# KiCad board ShinyAddOn_panel_1.kicad_pcb (continued)
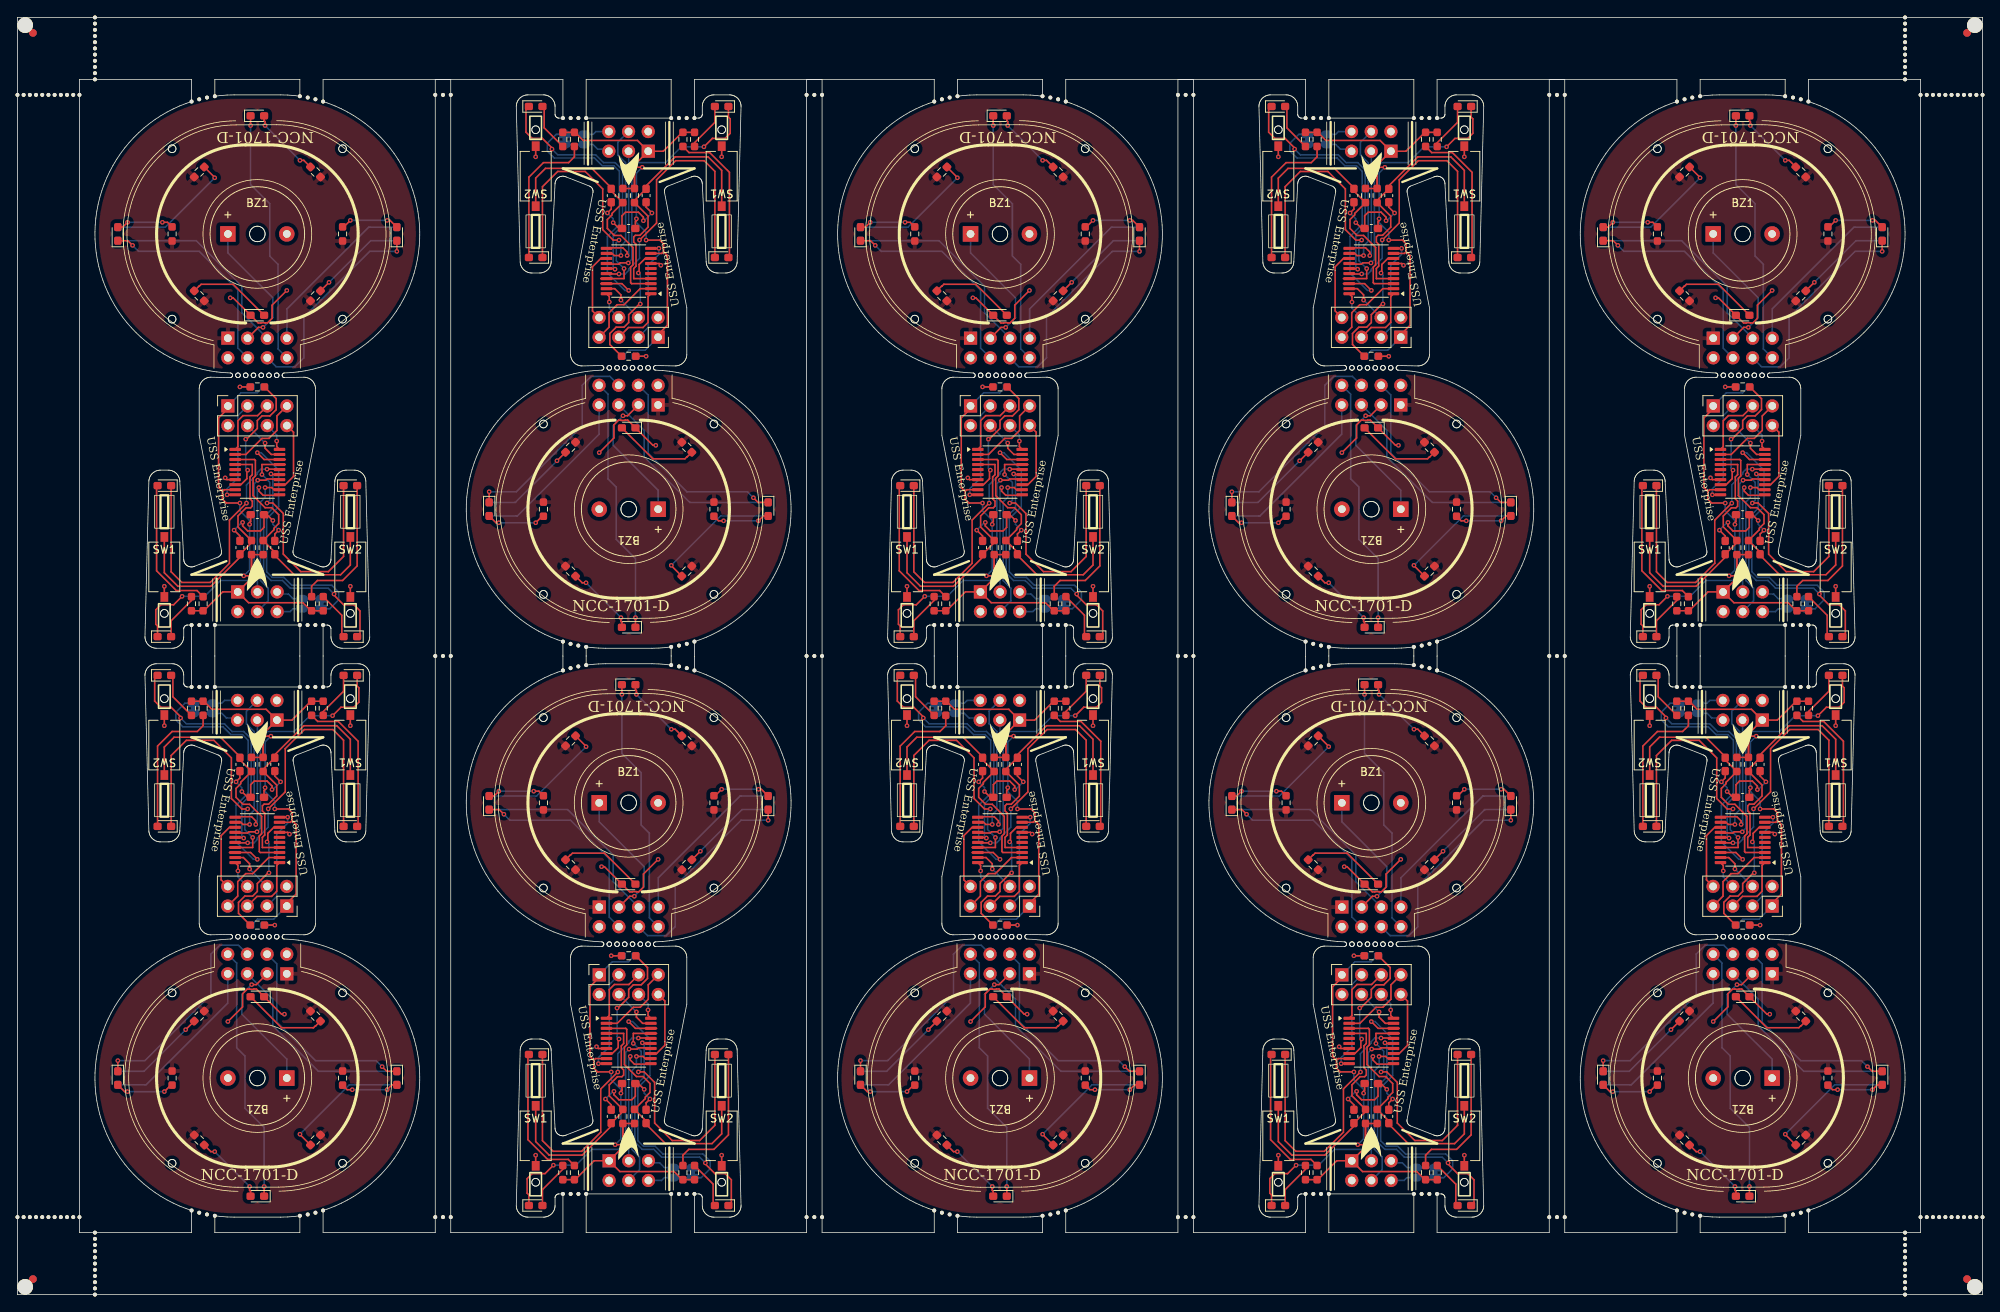
[diagram p0: board, top side]
## Routing (per net, layer and track width the routed paths; a pad name or vN(x,y) marks a point on that pad's centre or on a via; arc(x,y) is an arc through that point) (continued)
Board_5-/red_gondeln_right: length 35.9
  Top w0.2: v1(30.36,59.03) 30.36,57.73 U1#2.17 ; U1#2.17 28.83,57.73 ; U1#2.17 27.36,57.73 ; v1(29.71,62.71) 28.96,62.71 27.61,64.06 27.61,69.31 25.35,71.57 21.79,71.57 19.83,69.6 D7#6.1
  Bottom w0.2: v1(29.71,62.71) 29.36,62.36 29.36,60.03 v1(30.36,59.03)
Board_5-/SCL: length 19.2
  Top w0.2: v1(29.96,60.71) 29.11,60.71 28.83,60.98 U1#2.12
  Bottom w0.2: J5#9.4 29.55,75.33 29.55,73.71 30.56,72.7 30.56,62.56 29.96,61.96 v1(29.96,60.71)
Board_5-/SDA: length 17.6
  Top w0.2: U1#2.11 28.17,61.71 30.21,61.71 30.76,61.16 v1(30.76,60.71)
  Bottom w0.2: v1(30.76,60.71) 30.96,60.91 30.96,74.17 J5#9.3 31.44,73.69
Board_5-/sw1: length 33.5
  Top w0.2: U1#2.4 31.61,57.73 31.61,59.04 31.91,59.34 31.91,62.16 31.61,62.46 31.61,63.11 31.82,63.32 32.41,63.32 33.46,64.37 33.46,65.79 R9.2 31.71,67.82 C1#9.1 33.21,69.71 36.96,73.46 41.21,73.46 42.96,71.71 SW1#5.1
Board_5-/sw2: length 33.3
  Top w0.2: U1#2.3 31.33,57.08 31.21,57.21 31.21,59.21 31.51,59.51 31.51,61.75 29.95,63.31 29.11,63.31 28.21,64.21 28.21,65.36 28.81,65.96 28.81,66.14 R8#10.2 28.71,69.04 C2#4.1 28.71,69.46 26.2,71.97 20.21,71.97 18.96,70.71 SW2#10.1
Board_5-GND: length 29.2
  Top w0.2: C3#6.2 29.71,64.21 v1(28.96,64.96) ; C3#6.2 30.09,65.84 30.56,66.31 32.21,66.31 32.86,65.66 v1(32.86,65.21) ; C3#6.2 29.71,64.59 ; v1(27.16,35.26) 29.06,37.16 29.06,38.86 29.66,39.46 29.94,39.46 29.97,39.42 30.47,39.42 30.5,39.46 30.83,39.46 D1#3.1 34.08,36.21 v1(34.46,36.21) ; v1(28.21,66.21) 28.71,66.71 C2#4.2 ; C1#9.2 33.21,66.96 v1(33.96,66.21) ; v1(42.96,73.46) SW1#5.2 ; v1(18.96,73.46) SW2#10.2 ; U1#2.7 34.88,59.68 v1(35.11,59.46)
  Bottom w0.2: v1(33.96,66.21) 32.96,65.21 v1(32.86,65.21) ; v1(28.96,64.96) 28.96,65.46 v1(28.21,66.21)
Board_5-Net-(D1-A): length 11
  Top w0.2: R1.2 38.5,34.71 38.46,34.71 38.21,34.46 34.08,34.46 D1#3.2
Board_5-Net-(D2-K): length 2.7
  Top w0.2: R2#8.1 v1(33.21,47.71)
  Bottom w0.2: v1(33.21,47.71) D2#7.1
Board_5-Net-(D3-A): length 6.2
  Top w0.2: R3#8.2 20.06,77.19 20.06,79.73 D3#6.2
Board_5-Net-(D4-A): length 6.2
  Top w0.2: D4#4.2 42.08,77.91 39.46,75.28 R4#10.2
Board_5-Net-(D5-A): length 9.4
  Top w0.2: v1(29.96,13.96) 29.96,13.46 30.08,13.33 D5#4.2 ; R5#3.2 24.96,18.46 v1(25.46,18.46)
  Bottom w0.2: v1(29.96,13.96) v1(25.46,18.46)
Board_5-Net-(D6-A): length 18.4
  Top w0.2: 43.76,60.53 43.96,60.73 43.96,71.46 41.41,74.01 38.74,74.01 R6#2.2
Board_5-Net-(D7-A): length 18.7
  Top w0.2: D7#6.2 18.08,70.83 19.96,72.71 23.21,72.71 23.96,73.46 R7#8.2
Board_5-Net-(D8-A): length 7.6
  Top w0.2: D8#7.2 48.33,27.08 v1(47.71,26.46) ; 41.99,27.08 R10#8.2 42.54,26.46 v1(43.21,26.46)
  Bottom w0.2: v1(47.71,26.46) v1(43.21,26.46)
Board_5-Net-(D9-A): length 7.8
  Top w0.2: v1(18.96,26.21) 19.79,27.04 R11.2 19.92,27.08 ; v1(14.21,26.21) 13.83,26.21 D9#4.2
  Bottom w0.2: v1(18.96,26.21) v1(14.21,26.21)
Board_5-Net-(D10-A): length 17.1
  Top w0.2: R12.2 36.46,20.67 v1(36.46,20.71)
  Bottom w0.2: v1(36.46,20.71) 42.83,27.08 D10#6.2
Board_5-Net-(D11-A): length 12.5
  Top w0.2: R13.2 v1(21.71,34.21)
  Bottom w0.2: v1(21.71,34.21) 16.33,28.83 D11#4.2
Board_5-Net-(JP1-B): length 37.2
  Top w0.2: v1(30.96,56.21) 30.08,57.08 U1#2.18 ; U1#2.18 28.83,57.08 ; U1#2.18 27.36,57.08
  Bottom w0.2: 21.76,76.36 JP1#8.2 21.61,76.36 20.46,75.21 20.46,74.21 21.36,73.31 26.54,73.31 27.54,72.31 29.04,72.31 29.76,71.59 29.76,64.74 28.21,63.19 28.21,58.46 30.46,56.21 v1(30.96,56.21)
Board_5-Net-(U1-PD0): length 16.7
  Top w0.2: U1#2.8 33.08,60.33 32.31,59.56 32.31,58.56 v1(32.21,58.46) ; R2#8.2 28.53,49.22 28.53,50.64 29.34,51.46 30.36,51.46 30.96,52.06 30.96,53.07 32.34,54.46 v1(32.46,54.46)
  Bottom w0.2: v1(32.21,58.46) 32.46,58.21 v1(32.46,54.46)
Board_5-VCC: length 64.3
  Top w0.2: R4#10.1 R6#2.1 37.87,76.62 35.43,74.18 J5#9.1 ; v1(33.21,62.71) 34.96,62.71 35.46,62.21 35.46,61.21 ; 34.67,50.17 35.21,50.71 35.21,50.96 35.96,51.71 35.96,60.71 35.46,61.21 ; U1#2.9 35.23,60.98 35.46,61.21 ; v1(31.96,65.46) 31.96,65.21 31.82,65.07 C3#6.1 ; R9.1 31.71,72.11 v1(32.71,72.11) ; R9.1 29.96,69.37 ; R9.1 31.71,72.41 J5#9.1 ; J5#9.1 32.09,75.57 25.09,75.57 24.04,76.62 R7#8.1 R3#8.1
  Bottom w0.2: v1(33.21,62.71) 33.21,63.71 31.96,64.96 v1(31.96,65.46) 31.96,71.36 v1(32.71,72.11) ; J4#7.1 33.07,48.48 30.98,48.48 30.21,47.71 D2#7.2
Board_6-/blue gondeln left: length 33.4
  Top w0.2: v1(78.92,31.7) 79.97,31.7 80.12,31.85 81.66,31.85 U1#5.14 ; v1(69.16,16.71) 68.07,15.61 66.41,15.61 65.77,14.97 65.77,13.1 65.99,12.88 D4#2.1
  Bottom w0.2: v1(78.92,31.7) 78.47,31.25 78.47,19.6 77.62,18.75 74.12,18.75 72.08,16.71 v1(69.16,16.71)
Board_6-/blue gondeln right: length 32.6
  Top w0.2: v1(88.77,17) 88.77,16.85 90.01,15.61 91.33,15.61 92.12,14.82 92.12,11.88 D3#4.1 ; v1(80.63,32.51) 80.72,32.43 U1#5.15
  Bottom w0.2: v1(88.77,17) 88.02,17.75 83.12,17.75 82.12,18.75 80.62,18.75 79.67,19.7 79.67,26.89 80.87,28.09 80.87,32.27 v1(80.63,32.51)
Board_6-/blue_front: length 42.5
  Top w0.2: D5#7.1 77.99,77.38 ; J4#9.8 83.54,37.9 83.54,32.2 82.47,31.12 U1#5.13
  Bottom w0.2: v1(77.99,77.5) 77.99,69.88 80.47,67.4 80.47,60.65 81.54,59.58 81.54,48.65 J1#10.8
Board_6-/buzzer: length 31.2
  Top w0.2: U1#5.10 76,29.82 v1(74.97,29.82) ; v1(79.6,51.43) 79,51.43 J1#10.3
  Bottom w0.2: v1(79.6,51.43) 80.87,52.7 80.87,55.25 75.07,61.05 BZ1#3.1 ; J4#9.3 76.37,40.05 76.37,32 74.97,30.6 v1(74.97,29.82)
Board_6-/GPIO1: length 5.3
  Bottom w0.2: 83.87,16.4 83.47,16.4 82.87,17 81.7,17 J5.5 ; JP1#3.1 J3#10.2
Board_6-/GPIO2: length 3.1
  Top w0.2: 81.79,15.1 J5.6
  Bottom w0.2: J5.6 83.1,14.74 83.47,15.1 83.87,15.1
Board_6-/LED dish bottom l: length 34.9
  Top w0.2: U1#5.1 76.37,36.04 76.37,39.39 77.02,40.04 78.9,40.04 J4#9.5
  Bottom w0.2: J1#10.5 76.87,53.32 76.87,56.75 70.99,62.63 D10#8.1
Board_6-/LED dish bottom r: length 32.7
  Top w0.2: J4#9.7 81.4,40 81.4,38.13 80.37,37.1 79.47,37.1 77.39,35.03 U1#5.2
  Bottom w0.2: J1#10.7 82.69,53.82 93.24,64.38 D11#9.1
Board_6-/LED dish top left: length 33.5
  Top w0.2: D8#4.1 62.17,62.63 v1(62.77,62.03) ; U1#5.19 80.67,35.03 79.87,35.83 v1(79.87,36.5)
  Bottom w0.2: v1(62.77,62.03) 63.54,61.25 71.37,61.25 76.36,56.26 76.36,48.75 J1#10.4 ; v1(79.87,36.5) 77.62,38.75 J4#9.4
Board_6-/LED dish top right: length 32.1
  Top w0.2: D9#10.1 v1(96.87,61.25) ; U1#5.20 81.37,36.04 v1(81.37,36.75) ; 80.38,38.24 80.38,38.75
  Bottom w0.2: v1(96.87,61.25) 93.37,61.25 84.87,52.75 84.87,47.5 83.72,46.35 81.3,46.35 J1#10.6 ; J4#9.6 81.37,37.53 v1(81.37,36.75)
Board_6-/red_gondeln_left: length 36.5
  Top w0.2: U1#5.16 81.68,33.12 v1(80.12,33.12) ; D6#7.1 67.74,19.88 69.12,18.5 72.8,18.5 75.27,20.97 75.27,26.55 77.45,28.73 v1(77.47,28.73)
  Bottom w0.2: v1(80.12,33.12) 79.31,33.12 78.87,32.68 78.87,32.5 77.47,31.1 v1(77.47,28.73)
Board_6-/red_gondeln_right: length 35.9
  Top w0.2: v1(79.47,32.43) 79.47,33.73 U1#5.17 ; U1#5.17 82.47,33.73 ; U1#5.17 80.99,33.73 ; D7#9.1 89.99,21.85 88.03,19.89 84.48,19.89 82.22,22.15 82.22,27.4 80.87,28.75 v1(80.12,28.75)
  Bottom w0.2: v1(79.47,32.43) 80.47,31.43 80.47,29.1 v1(80.12,28.75)
Board_6-/SCL: length 19.2
  Top w0.2: v1(79.87,30.75) 80.72,30.75 80.99,30.48 U1#5.12
  Bottom w0.2: v1(79.87,30.75) 79.87,29.49 79.27,28.89 79.27,18.76 80.27,17.75 80.27,16.12 J5.4
Board_6-/SDA: length 17.6
  Top w0.2: U1#5.11 81.66,29.75 79.61,29.75 79.07,30.29 v1(79.07,30.75)
  Bottom w0.2: 78.39,17.77 J5.3 78.87,17.29 78.87,30.55 v1(79.07,30.75)
Board_6-/sw1: length 33.5
  Top w0.2: U1#5.4 78.22,33.73 78.22,32.42 77.92,32.11 77.92,29.3 78.22,29 78.22,28.35 78,28.13 77.42,28.13 76.37,27.09 76.37,25.66 R9#5.2 78.12,23.64 C1.1 76.62,21.75 72.87,18 68.62,18 66.87,19.75 SW1#7.1
Board_6-/sw2: length 33.3
  Top w0.2: U1#5.3 78.49,34.38 78.62,34.25 78.62,32.25 78.32,31.95 78.32,29.7 79.87,28.15 80.72,28.15 81.62,27.25 81.62,26.1 81.02,25.5 81.02,25.31 R8#8.2 81.12,22.41 C2#9.1 81.12,22 83.63,19.49 89.61,19.49 90.87,20.75 SW2#2.1
Board_6-GND: length 29.2
  Top w0.2: v1(81.62,25.25) 81.12,24.75 C2#9.2 ; v1(80.87,26.5) 80.12,27.25 C3#5.2 ; C1.2 76.62,24.5 v1(75.87,25.25) ; C3#5.2 79.73,25.61 79.27,25.15 77.62,25.15 76.97,25.8 v1(76.97,26.25) ; C3#5.2 80.12,26.86 ; v1(90.87,18) SW2#2.2 ; v1(74.72,32) 74.94,31.78 U1#5.7 ; v1(75.37,55.25) 75.74,55.25 D1#10.1 78.99,52 79.32,52 79.35,52.03 79.85,52.03 79.89,52 80.17,52 80.77,52.6 80.77,54.3 v1(82.67,56.2) ; v1(66.87,18) SW1#7.2
  Bottom w0.2: v1(75.87,25.25) 76.87,26.25 v1(76.97,26.25) ; v1(81.62,25.25) 80.87,26 v1(80.87,26.5)
Board_6-Net-(D1-A): length 11
  Top w0.2: R1#10.2 71.33,56.75 71.37,56.75 71.62,57 75.74,57 D1#10.2
Board_6-Net-(D2-K): length 2.7
  Top w0.2: R2#4.1 v1(76.62,43.75)
  Bottom w0.2: v1(76.62,43.75) D2#8.1
Board_6-Net-(D3-A): length 6.2
  Top w0.2: D3#4.2 89.77,11.73 89.77,14.26 R3#3.2
Board_6-Net-(D4-A): length 6.2
  Top w0.2: R4#2.2 70.37,16.18 67.74,13.55 D4#2.2
Board_6-Net-(D5-A): length 9.4
  Top w0.2: R5#9.2 84.87,73 v1(84.37,73) ; D5#7.2 79.74,78.13 79.87,78 v1(79.87,77.5)
  Bottom w0.2: v1(79.87,77.5) v1(84.37,73)
Board_6-Net-(D6-A): length 18.4
  Top w0.2: R6#9.2 71.08,17.45 68.42,17.45 65.87,20 65.87,30.73 66.07,30.93
Board_6-Net-(D7-A): length 18.7
  Top w0.2: R7#3.2 85.87,18 86.62,18.75 89.87,18.75 91.74,20.62 D7#9.2
Board_6-Net-(D8-A): length 7.6
  Top w0.2: v1(62.12,65) 61.49,64.38 D8#4.2 ; v1(66.62,65) 67.28,65 R10#7.2 67.83,64.38
  Bottom w0.2: v1(62.12,65) v1(66.62,65)
Board_6-Net-(D9-A): length 7.8
  Top w0.2: v1(95.62,65.25) 95.99,65.25 D9#10.2 ; 89.91,64.38 R11#6.2 90.03,64.41 v1(90.87,65.25)
  Bottom w0.2: v1(90.87,65.25) v1(95.62,65.25)
Board_6-Net-(D10-A): length 17.1
  Top w0.2: v1(73.37,70.75) 73.37,70.79 R12#10.2
  Bottom w0.2: v1(73.37,70.75) 66.99,64.38 D10#8.2
Board_6-Net-(D11-A): length 12.5
  Top w0.2: R13#5.2 v1(88.12,57.25)
  Bottom w0.2: D11#9.2 93.49,62.63 v1(88.12,57.25)
Board_6-Net-(JP1-B): length 37.2
  Top w0.2: 80.99,34.38 U1#5.18 ; U1#5.18 79.74,34.38 v1(78.87,35.25) ; U1#5.18 82.47,34.38
  Bottom w0.2: 88.07,15.1 JP1#3.2 88.22,15.1 89.37,16.25 89.37,17.25 88.47,18.15 83.28,18.15 82.28,19.15 80.78,19.15 80.07,19.87 80.07,26.72 81.62,28.27 81.62,33 79.37,35.25 v1(78.87,35.25)
Board_6-Net-(U1-PD0): length 16.7
  Top w0.2: R2#4.2 81.3,42.23 81.3,40.81 80.49,40 79.47,40 78.87,39.4 78.87,38.38 77.49,37 v1(77.37,37) ; U1#5.8 76.74,31.12 77.52,31.9 77.52,32.9 v1(77.62,33)
  Bottom w0.2: v1(77.62,33) 77.37,33.25 v1(77.37,37)
Board_6-VCC: length 64.3
  Top w0.2: J5.1 74.39,17.28 71.96,14.84 R6#9.1 R4#2.1 ; J5.1 78.12,19.05 R9#5.1 ; J5.1 77.73,15.89 84.73,15.89 85.78,14.84 R7#3.1 R3#3.1 ; U1#5.9 74.59,30.48 74.37,30.25 ; v1(76.62,28.75) 74.87,28.75 74.37,29.25 74.37,30.25 ; 74.37,30.25 73.87,30.75 73.87,39.75 74.62,40.5 74.62,40.75 75.16,41.29 ; v1(77.12,19.35) 78.12,19.35 R9#5.1 ; 79.87,22.09 R9#5.1 ; C3#5.1 78.01,26.39 77.87,26.25 v1(77.87,26)
  Bottom w0.2: v1(77.12,19.35) 77.87,20.1 v1(77.87,26) 77.87,26.5 76.62,27.75 v1(76.62,28.75) ; D2#8.2 79.62,43.75 78.84,42.98 76.75,42.98 J4#9.1
Board_7-/blue gondeln left: length 33.4
  Top w0.2: U1#8.14 124,59.61 125.53,59.61 125.68,59.76 v1(126.73,59.76) ; v1(136.49,74.75) 137.59,75.84 139.24,75.84 139.89,76.49 139.89,78.35 139.66,78.58 D4#5.1
  Bottom w0.2: v1(136.49,74.75) 133.57,74.75 131.53,72.71 128.03,72.71 127.18,71.86 127.18,60.21 v1(126.73,59.76)
Board_7-/blue gondeln right: length 32.6
  Top w0.2: D3#8.1 113.53,79.58 113.53,76.64 114.33,75.84 115.65,75.84 116.88,74.61 v1(116.88,74.46) ; U1#8.15 124.94,59.03 v1(125.02,58.95)
  Bottom w0.2: v1(116.88,74.46) 117.63,73.71 122.53,73.71 123.53,72.71 125.03,72.71 125.98,71.76 125.98,64.57 124.78,63.37 124.78,59.18 v1(125.02,58.95)
Board_7-/blue_front: length 42.5
  Top w0.2: U1#8.13 123.18,60.33 122.11,59.26 122.11,53.56 J4#10.8 ; D5#9.1 127.66,14.08
  Bottom w0.2: v1(127.66,13.96) 127.66,21.58 125.18,24.06 125.18,30.81 124.11,31.88 124.11,42.81 J1#9.8
Board_7-/buzzer: length 31.2
  Top w0.2: v1(130.68,61.64) 129.65,61.64 U1#8.10 ; v1(126.05,40.02) 126.65,40.02 J1#9.3
  Bottom w0.2: BZ1#7.1 130.58,30.41 124.78,36.21 124.78,38.76 v1(126.05,40.02) ; J4#10.3 129.28,51.41 129.28,59.46 130.68,60.86 v1(130.68,61.64)
Board_7-/GPIO1: length 5.3
  Bottom w0.2: 121.78,75.06 122.18,75.06 122.78,74.46 123.95,74.46 J5#4.5 ; JP1#7.1 J3#4.2
Board_7-/GPIO2: length 3.1
  Top w0.2: 123.86,76.36 J5#4.6
  Bottom w0.2: 121.78,76.36 122.18,76.36 122.55,76.72 J5#4.6
Board_7-/LED dish bottom l: length 34.9
  Top w0.2: U1#8.1 129.28,55.42 129.28,52.07 128.63,51.42 126.75,51.42 J4#10.5
  Bottom w0.2: D10#5.1 134.66,28.83 128.78,34.71 128.78,38.14 J1#9.5
Board_7-/LED dish bottom r: length 32.7
  Top w0.2: J4#10.7 124.25,51.46 124.25,53.33 125.28,54.36 126.18,54.36 128.26,56.43 U1#8.2
  Bottom w0.2: D11#3.1 112.41,27.08 122.96,37.64 J1#9.7
Board_7-/LED dish top left: length 33.5
  Top w0.2: v1(125.78,54.96) 125.78,55.63 124.98,56.43 U1#8.19 ; D8#9.1 143.48,28.83 v1(142.88,29.43)
  Bottom w0.2: J1#9.4 129.29,42.71 129.29,35.2 134.28,30.21 142.11,30.21 v1(142.88,29.43) ; J4#10.4 128.03,52.71 v1(125.78,54.96)
Board_7-/LED dish top right: length 32.1
  Top w0.2: 125.27,53.22 125.27,52.71 ; U1#8.20 124.28,55.42 v1(124.28,54.71) ; D9#5.1 v1(108.78,30.21)
  Bottom w0.2: v1(124.28,54.71) 124.28,53.93 J4#10.6 ; v1(108.78,30.21) 112.28,30.21 120.78,38.71 120.78,43.96 121.93,45.11 124.35,45.11 J1#9.6
Board_7-/red_gondeln_left: length 36.5
  Top w0.2: v1(128.18,62.72) 128.2,62.72 130.38,64.91 130.38,70.49 132.85,72.96 136.53,72.96 137.91,71.58 D6#4.1 ; v1(125.53,58.33) 123.97,58.33 U1#8.16
  Bottom w0.2: v1(128.18,62.72) 128.18,60.36 126.79,58.96 126.79,58.78 126.34,58.33 v1(125.53,58.33)
Board_7-/red_gondeln_right: length 35.9
  Top w0.2: D7#2.1 115.66,69.6 117.62,71.57 121.17,71.57 123.43,69.31 123.43,64.06 124.78,62.71 v1(125.53,62.71) ; v1(126.19,59.03) 126.19,57.73 U1#8.17 ; U1#8.17 124.66,57.73 ; U1#8.17 123.18,57.73
  Bottom w0.2: v1(126.19,59.03) 125.18,60.03 125.18,62.36 v1(125.53,62.71)
Board_7-/SCL: length 19.2
  Top w0.2: U1#8.12 124.66,60.98 124.93,60.71 v1(125.78,60.71)
  Bottom w0.2: v1(125.78,60.71) 125.78,61.96 126.38,62.56 126.38,72.7 125.38,73.71 125.38,75.33 J5#4.4
Board_7-/SDA: length 17.6
  Top w0.2: U1#8.11 124,61.71 126.04,61.71 126.58,61.16 v1(126.58,60.71)
  Bottom w0.2: 127.26,73.69 J5#4.3 126.78,74.17 126.78,60.91 v1(126.58,60.71)
Board_7-/sw1: length 33.5
  Top w0.2: SW1#10.1 138.78,71.71 137.03,73.46 132.78,73.46 129.03,69.71 C1#8.1 127.53,67.82 R9#3.2 129.28,65.79 129.28,64.37 128.23,63.32 127.65,63.32 127.43,63.11 127.43,62.46 127.73,62.16 127.73,59.34 127.43,59.04 127.43,57.73 U1#8.4
Board_7-/sw2: length 33.3
  Top w0.2: SW2#7.1 114.78,70.71 116.04,71.97 122.02,71.97 124.53,69.46 C2#6.1 124.53,69.04 R8#7.2 124.63,66.14 124.63,65.96 124.03,65.36 124.03,64.21 124.93,63.31 125.78,63.31 127.33,61.75 127.33,59.51 127.03,59.21 127.03,57.21 127.16,57.08 U1#8.3
Board_7-GND: length 29.2
  Top w0.2: v1(122.98,35.26) 124.88,37.16 124.88,38.86 125.48,39.46 125.77,39.46 125.8,39.42 126.3,39.42 126.33,39.46 126.66,39.46 D1#9.1 129.91,36.21 v1(130.28,36.21) ; v1(128.68,65.21) 128.68,65.66 128.03,66.31 126.38,66.31 125.92,65.84 C3#8.2 ; C3#8.2 125.53,64.59 ; C3#8.2 125.53,64.21 v1(124.78,64.96) ; v1(129.78,66.21) 129.03,66.96 C1#8.2 ; v1(124.03,66.21) 124.53,66.71 C2#6.2 ; v1(114.78,73.46) SW2#7.2 ; v1(130.93,59.46) 130.71,59.68 U1#8.7 ; v1(138.78,73.46) SW1#10.2
  Bottom w0.2: v1(128.68,65.21) 128.78,65.21 v1(129.78,66.21) ; v1(124.78,64.96) 124.78,65.46 v1(124.03,66.21)
Board_7-Net-(D1-A): length 11
  Top w0.2: D1#9.2 129.91,34.46 134.03,34.46 134.28,34.71 134.32,34.71 R1#7.2
Board_7-Net-(D2-K): length 2.7
  Top w0.2: R2#10.1 v1(129.03,47.71)
  Bottom w0.2: v1(129.03,47.71) D2#2.1
Board_7-Net-(D3-A): length 6.2
  Top w0.2: D3#8.2 115.89,79.73 115.89,77.19 R3#10.2
Board_7-Net-(D4-A): length 6.2
  Top w0.2: D4#5.2 137.91,77.91 135.28,75.28 R4#4.2
Board_7-Net-(D5-A): length 9.4
  Top w0.2: v1(121.28,18.46) 120.78,18.46 R5#8.2 ; D5#9.2 125.91,13.33 125.78,13.46 v1(125.78,13.96)
  Bottom w0.2: v1(125.78,13.96) v1(121.28,18.46)
Board_7-Net-(D6-A): length 18.4
  Top w0.2: 139.58,60.53 139.78,60.73 139.78,71.46 137.23,74.01 134.57,74.01 R6#7.2
Board_7-Net-(D7-A): length 18.7
  Top w0.2: R7#2.2 119.78,73.46 119.03,72.71 115.78,72.71 113.91,70.83 D7#2.2
Board_7-Net-(D8-A): length 7.6
  Top w0.2: v1(139.03,26.46) 138.37,26.46 R10#4.2 137.82,27.08 ; D8#9.2 144.16,27.08 v1(143.53,26.46)
  Bottom w0.2: v1(143.53,26.46) v1(139.03,26.46)
Board_7-Net-(D9-A): length 7.8
  Top w0.2: 115.75,27.08 R11#4.2 115.62,27.04 v1(114.78,26.21) ; v1(110.03,26.21) 109.66,26.21 D9#5.2
  Bottom w0.2: v1(114.78,26.21) v1(110.03,26.21)
Board_7-Net-(D10-A): length 17.1
  Top w0.2: v1(132.28,20.71) 132.28,20.67 R12#4.2
  Bottom w0.2: v1(132.28,20.71) 138.66,27.08 D10#5.2
Board_7-Net-(D11-A): length 12.5
  Top w0.2: R13#9.2 v1(117.53,34.21)
  Bottom w0.2: v1(117.53,34.21) 112.16,28.83 D11#3.2
Board_7-Net-(JP1-B): length 37.2
  Top w0.2: 124.66,57.08 U1#8.18 ; U1#8.18 123.18,57.08 ; U1#8.18 125.91,57.08 v1(126.78,56.21)
  Bottom w0.2: 117.58,76.36 JP1#7.2 117.43,76.36 116.28,75.21 116.28,74.21 117.18,73.31 122.37,73.31 123.37,72.31 124.87,72.31 125.58,71.59 125.58,64.74 124.03,63.19 124.03,58.46 126.28,56.21 v1(126.78,56.21)
Board_7-Net-(U1-PD0): length 16.7
  Top w0.2: v1(128.28,54.46) 128.17,54.46 126.78,53.07 126.78,52.06 126.18,51.46 125.17,51.46 124.35,50.64 124.35,49.22 R2#10.2 ; U1#8.8 128.91,60.33 128.13,59.56 128.13,58.56 v1(128.03,58.46)
  Bottom w0.2: v1(128.03,58.46) 128.28,58.21 v1(128.28,54.46)
Board_7-VCC: length 64.3
  Top w0.2: R9#3.1 127.53,72.41 J5#4.1 ; R9#3.1 127.53,72.11 v1(128.53,72.11) ; R9#3.1 125.78,69.37 ; 131.28,61.21 131.78,60.71 131.78,51.71 131.03,50.96 131.03,50.71 130.49,50.17 ; 131.28,61.21 131.06,60.98 U1#8.9 ; 131.28,61.21 131.28,62.21 130.78,62.71 v1(129.03,62.71) ; J5#4.1 131.26,74.18 133.7,76.62 R6#7.1 R4#4.1 ; J5#4.1 127.92,75.57 120.92,75.57 119.87,76.62 R7#2.1 R3#10.1 ; v1(127.78,65.46) 127.78,65.21 127.65,65.07 C3#8.1
  Bottom w0.2: v1(128.53,72.11) 127.78,71.36 v1(127.78,65.46) 127.78,64.96 129.03,63.71 v1(129.03,62.71) ; D2#2.2 126.03,47.71 126.81,48.48 128.9,48.48 J4#10.1
Board_8-/blue gondeln left: length 33.4
  Top w0.2: D4#3.1 161.82,12.88 161.59,13.1 161.59,14.97 162.24,15.61 163.89,15.61 v1(164.99,16.71) ; v1(174.75,31.7) 175.8,31.7 175.95,31.85 177.48,31.85 U1#10.14
  Bottom w0.2: v1(174.75,31.7) 174.3,31.25 174.3,19.6 173.45,18.75 169.95,18.75 167.91,16.71 v1(164.99,16.71)
Board_8-/blue gondeln right: length 32.6
  Top w0.2: v1(176.46,32.51) 176.54,32.43 U1#10.15 ; v1(184.6,17) 184.6,16.85 185.83,15.61 187.15,15.61 187.95,14.82 187.95,11.88 D3#5.1
  Bottom w0.2: v1(184.6,17) 183.85,17.75 178.95,17.75 177.95,18.75 176.45,18.75 175.5,19.7 175.5,26.89 176.7,28.09 176.7,32.27 v1(176.46,32.51)
Board_8-/blue_front: length 42.5
  Top w0.2: J4#3.8 179.37,37.9 179.37,32.2 178.3,31.12 U1#10.13 ; D5#2.1 173.82,77.38
  Bottom w0.2: J1#6.8 177.37,48.65 177.37,59.58 176.3,60.65 176.3,67.4 173.82,69.88 v1(173.82,77.5)
Board_8-/buzzer: length 31.2
  Top w0.2: v1(170.8,29.82) 171.83,29.82 U1#10.10 ; J1#6.3 174.83,51.43 v1(175.43,51.43)
  Bottom w0.2: BZ1#2.1 170.9,61.05 176.7,55.25 176.7,52.7 v1(175.43,51.43) ; J4#3.3 172.2,40.05 172.2,32 170.8,30.6 v1(170.8,29.82)
Board_8-/GPIO1: length 5.3
  Bottom w0.2: J5#10.5 177.53,17 178.7,17 179.3,16.4 179.7,16.4 ; JP1#10.1 J3#8.2
Board_8-/GPIO2: length 3.1
  Top w0.2: 177.62,15.1 J5#10.6
  Bottom w0.2: 179.7,15.1 179.3,15.1 178.93,14.74 J5#10.6
Board_8-/LED dish bottom l: length 34.9
  Top w0.2: U1#10.1 172.2,36.04 172.2,39.39 172.85,40.04 174.73,40.04 J4#3.5
  Bottom w0.2: J1#6.5 172.7,53.32 172.7,56.75 166.82,62.63 D10#7.1
Board_8-/LED dish bottom r: length 32.7
  Top w0.2: U1#10.2 173.22,35.03 175.3,37.1 176.2,37.1 177.23,38.13 177.23,40 J4#3.7
  Bottom w0.2: J1#6.7 178.52,53.82 189.07,64.38 D11#7.1
Board_8-/LED dish top left: length 33.5
  Top w0.2: D8#10.1 158,62.63 v1(158.6,62.03) ; v1(175.7,36.5) 175.7,35.83 176.5,35.03 U1#10.19
  Bottom w0.2: J4#3.4 173.45,38.75 v1(175.7,36.5) ; J1#6.4 172.19,48.75 172.19,56.26 167.2,61.25 159.37,61.25 v1(158.6,62.03)
Board_8-/LED dish top right: length 32.1
  Top w0.2: D9#2.1 v1(192.7,61.25) ; U1#10.20 177.2,36.04 v1(177.2,36.75) ; 176.21,38.24 176.21,38.75
  Bottom w0.2: v1(177.2,36.75) 177.2,37.53 J4#3.6 ; v1(192.7,61.25) 189.2,61.25 180.7,52.75 180.7,47.5 179.55,46.35 177.13,46.35 J1#6.6
Board_8-/red_gondeln_left: length 36.5
  Top w0.2: U1#10.16 177.51,33.12 v1(175.95,33.12) ; D6#3.1 163.57,19.88 164.95,18.5 168.63,18.5 171.1,20.97 171.1,26.55 173.28,28.73 v1(173.3,28.73)
  Bottom w0.2: v1(175.95,33.12) 175.14,33.12 174.69,32.68 174.69,32.5 173.3,31.1 v1(173.3,28.73)
Board_8-/red_gondeln_right: length 35.9
  Top w0.2: 176.82,33.73 U1#10.17 ; U1#10.17 175.29,33.73 v1(175.29,32.43) ; U1#10.17 178.3,33.73 ; v1(175.95,28.75) 176.7,28.75 178.05,27.4 178.05,22.15 180.31,19.89 183.86,19.89 185.82,21.85 D7#8.1
  Bottom w0.2: v1(175.29,32.43) 176.3,31.43 176.3,29.1 v1(175.95,28.75)
Board_8-/SCL: length 19.2
  Top w0.2: v1(175.7,30.75) 176.55,30.75 176.82,30.48 U1#10.12
  Bottom w0.2: J5#10.4 176.1,16.12 176.1,17.75 175.1,18.76 175.1,28.89 175.7,29.49 v1(175.7,30.75)
Board_8-/SDA: length 17.6
  Top w0.2: v1(174.9,30.75) 174.9,30.29 175.44,29.75 177.48,29.75 U1#10.11
  Bottom w0.2: 174.22,17.77 J5#10.3 174.7,17.29 174.7,30.55 v1(174.9,30.75)
Board_8-/sw1: length 33.5
  Top w0.2: SW1#6.1 162.7,19.75 164.45,18 168.7,18 172.45,21.75 C1#4.1 173.95,23.64 R9#4.2 172.2,25.66 172.2,27.09 173.25,28.13 173.83,28.13 174.05,28.35 174.05,29 173.75,29.3 173.75,32.11 174.05,32.42 174.05,33.73 U1#10.4
Board_8-/sw2: length 33.3
  Top w0.2: U1#10.3 174.32,34.38 174.45,34.25 174.45,32.25 174.15,31.95 174.15,29.7 175.7,28.15 176.55,28.15 177.45,27.25 177.45,26.1 176.85,25.5 176.85,25.31 R8#9.2 176.95,22.41 C2#10.1 176.95,22 179.46,19.49 185.44,19.49 186.7,20.75 SW2#6.1
Board_8-GND: length 29.2
  Top w0.2: U1#10.7 170.77,31.78 v1(170.55,32) ; v1(162.7,18) SW1#6.2 ; C2#10.2 176.95,24.75 v1(177.45,25.25) ; v1(171.2,55.25) 171.57,55.25 D1#6.1 174.82,52 175.15,52 175.18,52.03 175.68,52.03 175.71,52 176,52 176.6,52.6 176.6,54.3 v1(178.5,56.2) ; C3#4.2 175.56,25.61 175.1,25.15 173.45,25.15 172.8,25.8 v1(172.8,26.25) ; C3#4.2 175.95,26.86 ; C3#4.2 175.95,27.25 v1(176.7,26.5) ; v1(171.7,25.25) 172.45,24.5 C1#4.2 ; v1(186.7,18) SW2#6.2
  Bottom w0.2: v1(171.7,25.25) 172.7,26.25 v1(172.8,26.25) ; v1(176.7,26.5) 176.7,26 v1(177.45,25.25)
Board_8-Net-(D1-A): length 11
  Top w0.2: R1#6.2 167.16,56.75 167.2,56.75 167.45,57 171.57,57 D1#6.2
Board_8-Net-(D2-K): length 2.7
  Top w0.2: R2#7.1 v1(172.45,43.75)
  Bottom w0.2: v1(172.45,43.75) D2#5.1
Board_8-Net-(D3-A): length 6.2
  Top w0.2: R3#2.2 185.59,14.26 185.59,11.73 D3#5.2
Board_8-Net-(D4-A): length 6.2
  Top w0.2: R4#7.2 166.2,16.18 163.57,13.55 D4#3.2
Board_8-Net-(D5-A): length 9.4
  Top w0.2: D5#2.2 175.57,78.13 175.7,78 v1(175.7,77.5) ; R5#6.2 180.7,73 v1(180.2,73)
  Bottom w0.2: v1(175.7,77.5) v1(180.2,73)
Board_8-Net-(D6-A): length 18.4
  Top w0.2: 161.9,30.93 161.7,30.73 161.7,20 164.25,17.45 166.91,17.45 R6#4.2
Board_8-Net-(D7-A): length 18.7
  Top w0.2: D7#8.2 187.57,20.62 185.7,18.75 182.45,18.75 181.7,18 R7#6.2
Board_8-Net-(D8-A): length 7.6
  Top w0.2: v1(157.95,65) 157.32,64.38 D8#10.2 ; v1(162.45,65) 163.11,65 R10#2.2 163.66,64.38
  Bottom w0.2: v1(157.95,65) v1(162.45,65)
Board_8-Net-(D9-A): length 7.8
  Top w0.2: v1(186.7,65.25) 185.86,64.41 R11#7.2 185.73,64.38 ; v1(191.45,65.25) 191.82,65.25 D9#2.2
  Bottom w0.2: v1(186.7,65.25) v1(191.45,65.25)
Board_8-Net-(D10-A): length 17.1
  Top w0.2: v1(169.2,70.75) 169.2,70.79 R12#6.2
  Bottom w0.2: v1(169.2,70.75) 162.82,64.38 D10#7.2
Board_8-Net-(D11-A): length 12.5
  Top w0.2: R13#7.2 v1(183.95,57.25)
  Bottom w0.2: v1(183.95,57.25) 189.32,62.63 D11#7.2
Board_8-Net-(JP1-B): length 37.2
  Top w0.2: U1#10.18 175.57,34.38 v1(174.7,35.25) ; U1#10.18 178.3,34.38 ; U1#10.18 176.82,34.38
  Bottom w0.2: 183.9,15.1 JP1#10.2 184.05,15.1 185.2,16.25 185.2,17.25 184.3,18.15 179.11,18.15 178.11,19.15 176.61,19.15 175.9,19.87 175.9,26.72 177.45,28.27 177.45,33 175.2,35.25 v1(174.7,35.25)
Board_8-Net-(U1-PD0): length 16.7
  Top w0.2: v1(173.2,37) 173.31,37 174.7,38.38 174.7,39.4 175.3,40 176.31,40 177.13,40.81 177.13,42.23 R2#7.2 ; v1(173.45,33) 173.35,32.9 173.35,31.9 172.57,31.12 U1#10.8
  Bottom w0.2: v1(173.45,33) 173.2,33.25 v1(173.2,37)
Board_8-VCC: length 64.3
  Top w0.2: J5#10.1 173.95,19.05 R9#4.1 ; J5#10.1 170.22,17.28 167.78,14.84 R6#4.1 R4#7.1 ; J5#10.1 173.56,15.89 180.56,15.89 181.61,14.84 R7#6.1 R3#2.1 ; R9#4.1 175.7,22.09 ; R9#4.1 173.95,19.35 v1(172.95,19.35) ; v1(173.7,26) 173.7,26.25 173.83,26.39 C3#4.1 ; 170.2,30.25 170.2,29.25 170.7,28.75 v1(172.45,28.75) ; 170.2,30.25 170.42,30.48 U1#10.9 ; 170.2,30.25 169.7,30.75 169.7,39.75 170.45,40.5 170.45,40.75 170.99,41.29
  Bottom w0.2: v1(172.45,28.75) 172.45,27.75 173.7,26.5 v1(173.7,26) 173.7,20.1 v1(172.95,19.35) ; D2#5.2 175.45,43.75 174.67,42.98 172.58,42.98 J4#3.1
Board_9-/blue gondeln left: length 33.4
  Top w0.2: U1#6.14 219.82,59.61 221.36,59.61 221.51,59.76 v1(222.56,59.76) ; D4#9.1 235.49,78.58 235.71,78.35 235.71,76.49 235.07,75.84 233.41,75.84 v1(232.32,74.75)
  Bottom w0.2: v1(232.32,74.75) 229.4,74.75 227.36,72.71 223.86,72.71 223.01,71.86 223.01,60.21 v1(222.56,59.76)
Board_9-/blue gondeln right: length 32.6
  Top w0.2: v1(212.71,74.46) 212.71,74.61 211.47,75.84 210.15,75.84 209.36,76.64 209.36,79.58 D3#9.1 ; v1(220.85,58.95) 220.76,59.03 U1#6.15
  Bottom w0.2: v1(212.71,74.46) 213.46,73.71 218.36,73.71 219.36,72.71 220.86,72.71 221.81,71.76 221.81,64.57 220.61,63.37 220.61,59.18 v1(220.85,58.95)
Board_9-/blue_front: length 42.5
  Top w0.2: J4#8.8 217.94,53.56 217.94,59.26 219.01,60.33 U1#6.13 ; D5#5.1 223.49,14.08
  Bottom w0.2: v1(223.49,13.96) 223.49,21.58 221.01,24.06 221.01,30.81 219.94,31.88 219.94,42.81 J1.8
Board_9-/buzzer: length 31.2
  Top w0.2: U1#6.10 225.48,61.64 v1(226.51,61.64) ; J1.3 222.48,40.02 v1(221.88,40.02)
  Bottom w0.2: v1(221.88,40.02) 220.61,38.76 220.61,36.21 226.41,30.41 BZ1#10.1 ; v1(226.51,61.64) 226.51,60.86 225.11,59.46 225.11,51.41 J4#8.3
Board_9-/GPIO1: length 5.3
  Bottom w0.2: J5#7.5 219.78,74.46 218.61,74.46 218.01,75.06 217.61,75.06 ; JP1#4.1 J3#2.2
Board_9-/GPIO2: length 3.1
  Top w0.2: 219.69,76.36 J5#7.6
  Bottom w0.2: J5#7.6 218.38,76.72 218.01,76.36 217.61,76.36
Board_9-/LED dish bottom l: length 34.9
  Top w0.2: J4#8.5 222.58,51.42 224.46,51.42 225.11,52.07 225.11,55.42 U1#6.1
  Bottom w0.2: J1.5 224.61,38.14 224.61,34.71 230.49,28.83 D10#3.1
Board_9-/LED dish bottom r: length 32.7
  Top w0.2: U1#6.2 224.09,56.43 222.01,54.36 221.11,54.36 220.08,53.33 220.08,51.46 J4#8.7
  Bottom w0.2: D11#2.1 208.24,27.08 218.79,37.64 J1.7
Board_9-/LED dish top left: length 33.5
  Top w0.2: D8.1 239.31,28.83 v1(238.71,29.43) ; U1#6.19 220.81,56.43 221.61,55.63 v1(221.61,54.96)
  Bottom w0.2: J1.4 225.12,42.71 225.12,35.2 230.11,30.21 237.94,30.21 v1(238.71,29.43) ; J4#8.4 223.86,52.71 v1(221.61,54.96)
Board_9-/LED dish top right: length 32.1
  Top w0.2: U1#6.20 220.11,55.42 v1(220.11,54.71) ; 221.1,53.22 221.1,52.71 ; D9#8.1 v1(204.61,30.21)
  Bottom w0.2: J1.6 220.18,45.11 217.76,45.11 216.61,43.96 216.61,38.71 208.11,30.21 v1(204.61,30.21) ; J4#8.6 220.11,53.93 v1(220.11,54.71)
Board_9-/red_gondeln_left: length 36.5
  Top w0.2: v1(221.36,58.33) 219.8,58.33 U1#6.16 ; v1(224.01,62.72) 224.03,62.72 226.21,64.91 226.21,70.49 228.68,72.96 232.36,72.96 233.74,71.58 D6#5.1
  Bottom w0.2: v1(221.36,58.33) 222.17,58.33 222.61,58.78 222.61,58.96 224.01,60.36 v1(224.01,62.72)
Board_9-/red_gondeln_right: length 35.9
  Top w0.2: v1(222.01,59.03) 222.01,57.73 U1#6.17 ; 219.01,57.73 U1#6.17 ; U1#6.17 220.49,57.73 ; D7#7.1 211.49,69.6 213.45,71.57 217,71.57 219.26,69.31 219.26,64.06 220.61,62.71 v1(221.36,62.71)
  Bottom w0.2: v1(222.01,59.03) 221.01,60.03 221.01,62.36 v1(221.36,62.71)
Board_9-/SCL: length 19.2
  Top w0.2: U1#6.12 220.49,60.98 220.76,60.71 v1(221.61,60.71)
  Bottom w0.2: J5#7.4 221.21,75.33 221.21,73.71 222.21,72.7 222.21,62.56 221.61,61.96 v1(221.61,60.71)
Board_9-/SDA: length 17.6
  Top w0.2: v1(222.41,60.71) 222.41,61.16 221.87,61.71 219.82,61.71 U1#6.11
  Bottom w0.2: 223.09,73.69 J5#7.3 222.61,74.17 222.61,60.91 v1(222.41,60.71)
Board_9-/sw1: length 33.5
  Top w0.2: SW1#4.1 234.61,71.71 232.86,73.46 228.61,73.46 224.86,69.71 C1#6.1 223.36,67.82 R9#8.2 225.11,65.79 225.11,64.37 224.06,63.32 223.48,63.32 223.26,63.11 223.26,62.46 223.56,62.16 223.56,59.34 223.26,59.04 223.26,57.73 U1#6.4
Board_9-/sw2: length 33.3
  Top w0.2: SW2#9.1 210.61,70.71 211.87,71.97 217.85,71.97 220.36,69.46 C2#8.1 220.36,69.04 R8#3.2 220.46,66.14 220.46,65.96 219.86,65.36 219.86,64.21 220.76,63.31 221.61,63.31 223.16,61.75 223.16,59.51 222.86,59.21 222.86,57.21 222.99,57.08 U1#6.3
Board_9-GND: length 29.2
  Top w0.2: v1(225.61,66.21) 224.86,66.96 C1#6.2 ; C3#10.2 221.75,65.84 222.21,66.31 223.86,66.31 224.51,65.66 v1(224.51,65.21) ; C3#10.2 221.36,64.21 v1(220.61,64.96) ; C3#10.2 221.36,64.59 ; v1(226.76,59.46) 226.54,59.68 U1#6.7 ; C2#8.2 220.36,66.71 v1(219.86,66.21) ; v1(210.61,73.46) SW2#9.2 ; v1(226.11,36.21) 225.74,36.21 D1#7.1 222.49,39.46 222.16,39.46 222.13,39.42 221.63,39.42 221.59,39.46 221.31,39.46 220.71,38.86 220.71,37.16 v1(218.81,35.26) ; v1(234.61,73.46) SW1#4.2
  Bottom w0.2: v1(220.61,64.96) 220.61,65.46 v1(219.86,66.21) ; v1(224.51,65.21) 224.61,65.21 v1(225.61,66.21)
Board_9-Net-(D1-A): length 11
  Top w0.2: D1#7.2 225.74,34.46 229.86,34.46 230.11,34.71 230.15,34.71 R1#9.2
Board_9-Net-(D2-K): length 2.7
  Top w0.2: R2.1 v1(224.86,47.71)
  Bottom w0.2: v1(224.86,47.71) D2#10.1
Board_9-Net-(D3-A): length 6.2
  Top w0.2: R3#9.2 211.71,77.19 211.71,79.73 D3#9.2
Board_9-Net-(D4-A): length 6.2
  Top w0.2: D4#9.2 233.74,77.91 231.11,75.28 R4#9.2
Board_9-Net-(D5-A): length 9.4
  Top w0.2: D5#5.2 221.74,13.33 221.61,13.46 v1(221.61,13.96) ; v1(217.11,18.46) 216.61,18.46 R5#4.2
  Bottom w0.2: v1(221.61,13.96) v1(217.11,18.46)
Board_9-Net-(D6-A): length 18.4
  Top w0.2: R6.2 230.4,74.01 233.06,74.01 235.61,71.46 235.61,60.73 235.41,60.53
Board_9-Net-(D7-A): length 18.7
  Top w0.2: D7#7.2 209.74,70.83 211.61,72.71 214.86,72.71 215.61,73.46 R7#9.2
Board_9-Net-(D8-A): length 7.6
  Top w0.2: v1(234.86,26.46) 234.2,26.46 R10#9.2 233.65,27.08 ; D8.2 239.99,27.08 v1(239.36,26.46)
  Bottom w0.2: v1(239.36,26.46) v1(234.86,26.46)
Board_9-Net-(D9-A): length 7.8
  Top w0.2: 211.57,27.08 R11#10.2 211.45,27.04 v1(210.61,26.21) ; v1(205.86,26.21) 205.49,26.21 D9#8.2
  Bottom w0.2: v1(210.61,26.21) v1(205.86,26.21)
Board_9-Net-(D10-A): length 17.1
  Top w0.2: v1(228.11,20.71) 228.11,20.67 R12#9.2
  Bottom w0.2: D10#3.2 234.49,27.08 v1(228.11,20.71)
Board_9-Net-(D11-A): length 12.5
  Top w0.2: R13#4.2 v1(213.36,34.21)
  Bottom w0.2: v1(213.36,34.21) 207.99,28.83 D11#2.2
Board_9-Net-(JP1-B): length 37.2
  Top w0.2: U1#6.18 221.74,57.08 v1(222.61,56.21) ; U1#6.18 220.49,57.08 ; U1#6.18 219.01,57.08
  Bottom w0.2: v1(222.61,56.21) 222.11,56.21 219.86,58.46 219.86,63.19 221.41,64.74 221.41,71.59 220.7,72.31 219.2,72.31 218.2,73.31 213.01,73.31 212.11,74.21 212.11,75.21 213.26,76.36 JP1#4.2 213.41,76.36
Board_9-Net-(U1-PD0): length 16.7
  Top w0.2: U1#6.8 224.74,60.33 223.96,59.56 223.96,58.56 v1(223.86,58.46) ; R2.2 220.18,49.22 220.18,50.64 220.99,51.46 222.01,51.46 222.61,52.06 222.61,53.07 223.99,54.46 v1(224.11,54.46)
  Bottom w0.2: v1(224.11,54.46) 224.11,58.21 v1(223.86,58.46)
Board_9-VCC: length 64.3
  Top w0.2: 227.11,61.21 226.89,60.98 U1#6.9 ; 227.11,61.21 227.61,60.71 227.61,51.71 226.86,50.96 226.86,50.71 226.32,50.17 ; 227.11,61.21 227.11,62.21 226.61,62.71 v1(224.86,62.71) ; R4#9.1 R6.1 229.52,76.62 227.09,74.18 J5#7.1 ; J5#7.1 223.75,75.57 216.75,75.57 215.7,76.62 R7#9.1 R3#9.1 ; J5#7.1 223.36,72.41 R9#8.1 ; C3#10.1 223.47,65.07 223.61,65.21 v1(223.61,65.46) ; 221.61,69.37 R9#8.1 ; R9#8.1 223.36,72.11 v1(224.36,72.11)
  Bottom w0.2: v1(224.36,72.11) 223.61,71.36 v1(223.61,65.46) 223.61,64.96 224.86,63.71 v1(224.86,62.71) ; D2#10.2 221.86,47.71 222.64,48.48 224.73,48.48 J4#8.1

## Copper pours and planes (outline as drawn; the poured copper is in the pictures)
Board_0-GND on Bottom: 5.71,156.46 61.96,155.46 52.21,79.21 9.96,81.46
Board_0-VCC on Top: 8.71,155.46 52.46,155.21 51.66,118.56 9.16,118.56
Board_1-GND on Bottom: 104.12,81.91 47.87,82.91 57.62,159.16 99.87,156.91
Board_1-VCC on Top: 101.12,82.91 57.37,83.16 58.17,119.81 100.67,119.81
Board_2-GND on Bottom: 101.53,156.46 157.78,155.46 148.03,79.21 105.78,81.46
Board_2-VCC on Top: 104.53,155.46 148.28,155.21 147.48,118.56 104.98,118.56
Board_3-GND on Bottom: 199.95,81.91 143.7,82.91 153.45,159.16 195.7,156.91
Board_3-VCC on Top: 196.95,82.91 153.2,83.16 154,119.81 196.5,119.81
Board_4-GND on Bottom: 197.36,156.46 253.61,155.46 243.86,79.21 201.61,81.46
Board_4-VCC on Top: 200.36,155.46 244.11,155.21 243.31,118.56 200.81,118.56
Board_5-GND on Bottom: 56.21,8.46 -0.04,9.46 9.71,85.71 51.96,83.46
Board_5-VCC on Top: 53.21,9.46 9.46,9.71 10.26,46.36 52.76,46.36
Board_6-GND on Bottom: 53.62,83 109.87,82 100.12,5.75 57.87,8
Board_6-VCC on Top: 56.62,82 100.37,81.75 99.57,45.1 57.07,45.1
Board_7-GND on Bottom: 152.03,8.46 95.78,9.46 105.53,85.71 147.78,83.46
Board_7-VCC on Top: 149.03,9.46 105.28,9.71 106.08,46.36 148.58,46.36
Board_8-GND on Bottom: 149.45,83 205.7,82 195.95,5.75 153.7,8
Board_8-VCC on Top: 152.45,82 196.2,81.75 195.4,45.1 152.9,45.1
Board_9-GND on Bottom: 247.86,8.46 191.61,9.46 201.36,85.71 243.61,83.46
Board_9-VCC on Top: 244.86,9.46 201.11,9.71 201.91,46.36 244.41,46.36

## Text on the board
B.Silkscreen: NCC-1701-D | GPIO1-Prog | https://github.com/dg3vw/Trekkie_Addon
F.Silkscreen: USS Enterprise | NCC-1701-D
